# Altium PCB RT_SUPER_B1.PCBdoc (part 2 of 2)
Units mil, origin at the board's own origin, x right, y up, seen from the top; angles counter-clockwise.
Board outline 1617.06 x 1691.18 mil, 4 copper layers (Top Layer, GND, PWR, Bottom Layer), stack 39.556 mil thick; 138 components, 99 nets, 466 pads, 206 vias.
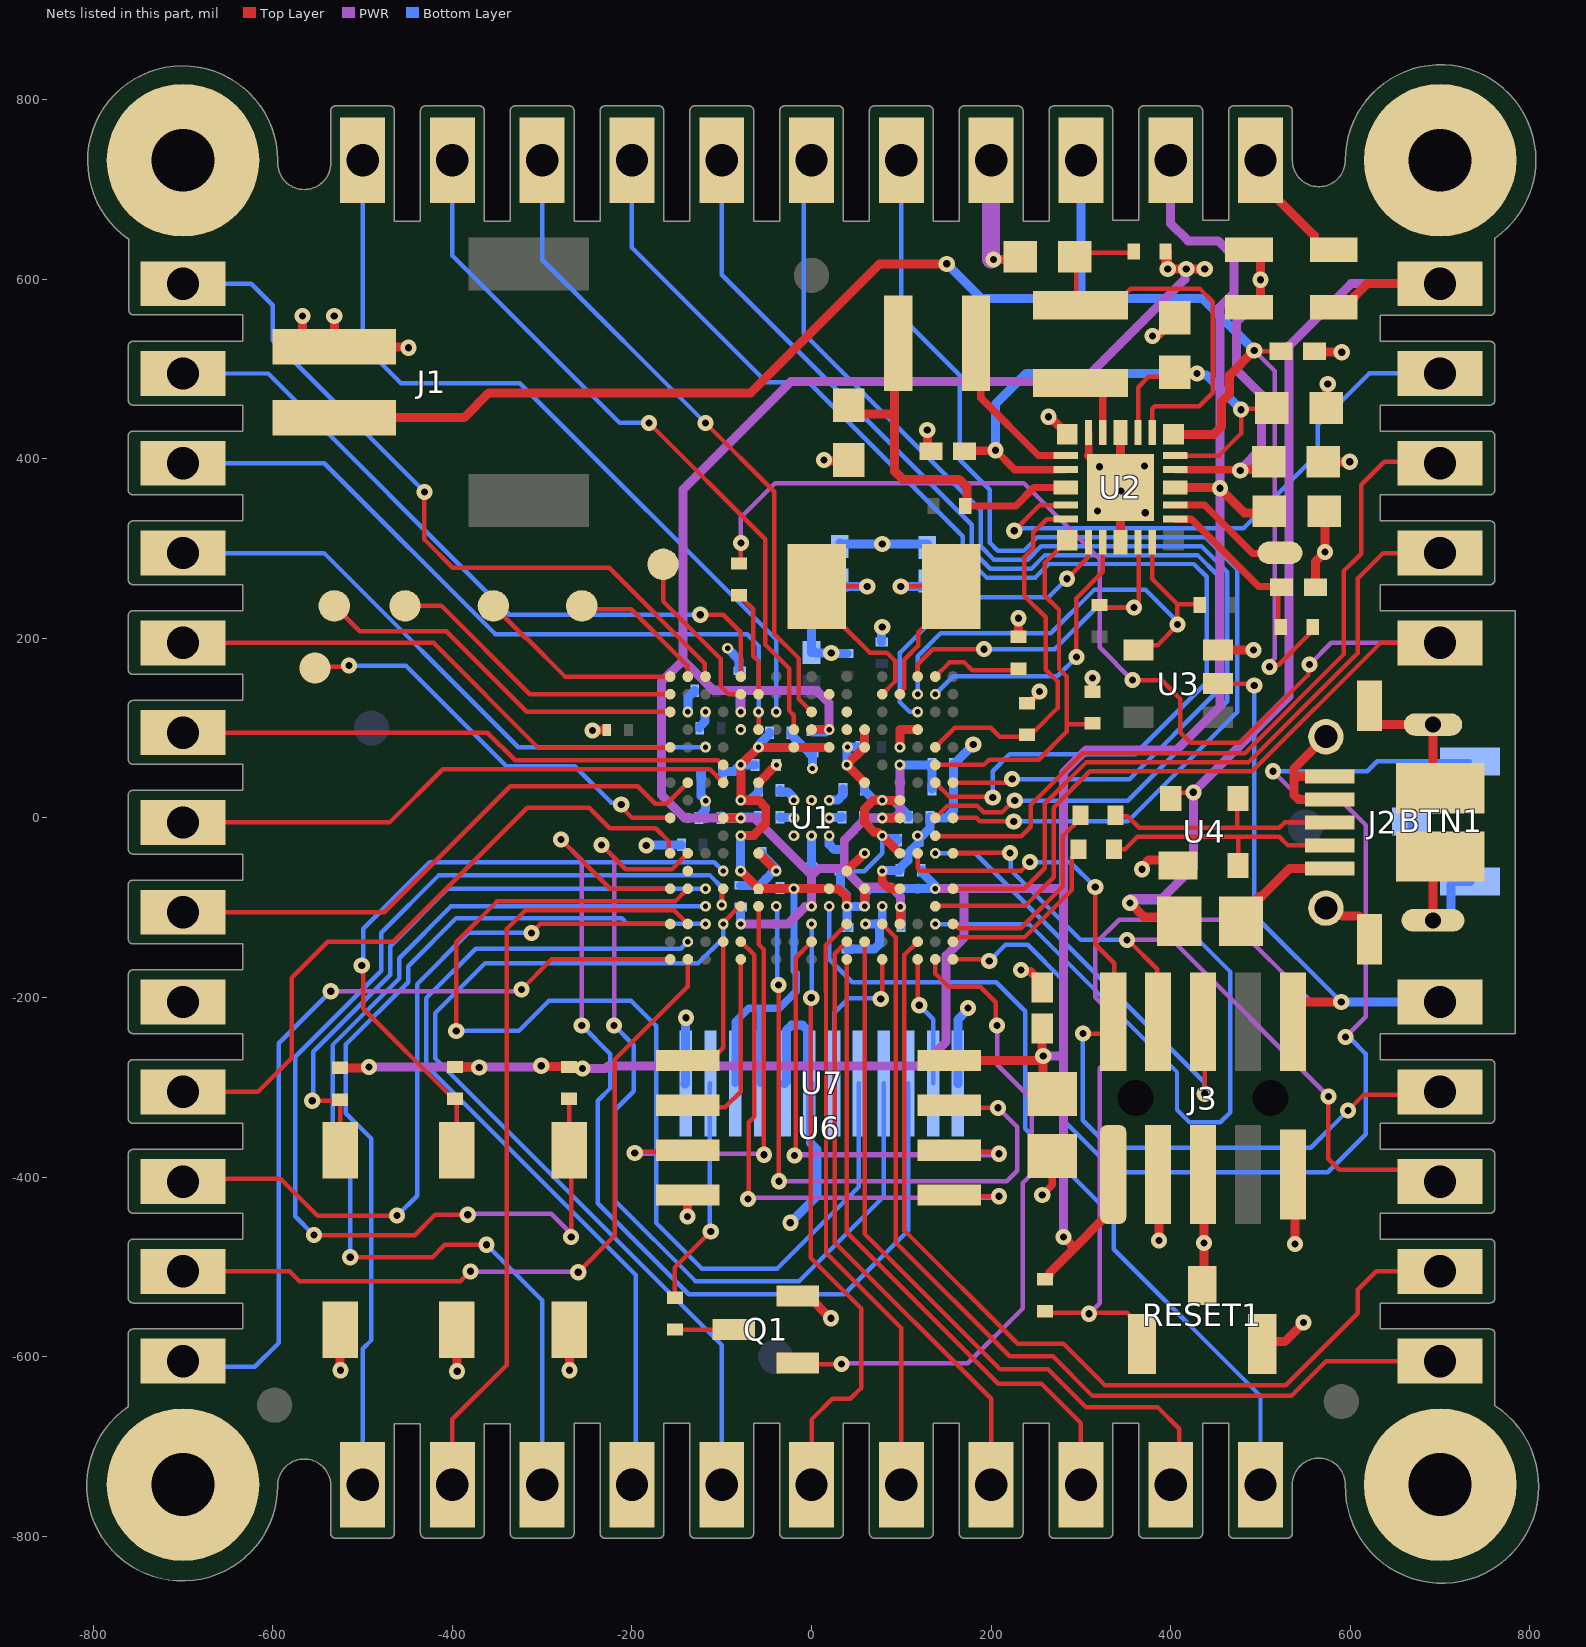
[diagram p4: the nets of this part, all layers, seen from the top]

## Via types
v1: diameter 18, hole 8, Top Layer to Bottom Layer, tented both sides, 133 vias
v2: diameter 12, hole 6, Top Layer to Bottom Layer, tented both sides, 73 vias

## Nets (pads, with @x,y where several pads share a name; then routed paths per layer and width w, separated by ;. In a path a pad name is that pad's centre, name@x,y a point inside that pad or via, vN(x,y) a via of type N, cw(c..) or ccw(c..) an arc to the next point about the centre after c; other vN are vias at no path point) (continued)
+3v3: C12.2 C13.2 C14.2 C15.2 C16.2 C17.2 C18.2 C20.2 C21.2 C22.2 C23.2 C24.2 C25.2 C42.2 C43.1 J3.1 P10.1 R3.2 R4.2 R8.2 R12.2 R13.2 R14.2 U1.E6 U1.E8 U1.E10 U1.F5 U1.H5 U1.H13 U1.H14 U1.K5 U1.K13 U1.L14 U1.M5 U1.N6 U1.N8 U1.N10 U1.N12 U1.N16 U1.P11 U1.P12 U2.15 U6.8 U7.3 U7.4 | length 4300.1
  Top Layer w8: R3.2@240.16,127.95 242.13,127.95 249.33,135.15 249.33,136.33 v1(254,141) ; R4.2@312.99,140.75 312,141.74 312,155 v1(313,156)
  Top Layer w10: R12.2@-525,-278.28 -494,-278.28 v1(-493,-277.28) ; R13.2@-397,-277.28 -370.72,-277.28 v1(-370,-278) ; v1(-301,-276) -300.36,-276.64 -270.64,-276.64 -269.06,-278.23 -256.11,-278.23 v1(-255.17,-279.17) ; v2(-79,-59) U1.M5@-78.74,-59.06 U1.M5@-78.74,-59.06 U1.N6@-59.06,-78.74 v2(-19.68,-78.74) U1.N10@19.69,-78.74 20.07,-79.12 30.12,-79.12 38.99,-87.99 38.99,-98.04 v2(39.37,-98.43) ; v2(-78.74,-19.69) -78.36,-19.3 -64.3,-19.3 -51,-6 -51,11.63 -59.06,19.68 v2(-78.74,19.68) v2(-78.74,59.06) v2(-59.06,78.74) U1.E8@-19.68,78.74 U1.E10@19.69,78.74 ; v2(59.06,-98.43) U1.N12@59.06,-78.74 ; U1.K13@74.51,-16 70.06,-16 59.06,-5 59.06,10.06 68.3,19.3 78.36,19.3 v2(78.74,19.68) U1.H14@98.43,19.68 ; v2(78.74,-19.69) U1.L14@98.43,-39.37 ; U6.8@153.54,-270 v1@258,-270 ; v1@256.89,-263 C43.1@256.89,-234.25 ; C42.2@258,-287.94 v1(258,-265) ; C42.2@258.2,-289.75 C42.2@273,-304.55 ; R8.2@260.07,-511.58 259.84,-511.81 261.81,-511.81 265.67,-507.95 265.67,-505.98 291.83,-479.82 ; v1(280.51,-466.54) 291.83,-477.85 291.83,-479.82 ; J3.1@337,-398 337,-437.28 327.67,-446.61 325.04,-446.61 291.83,-479.82 ; U2.15@405.04,368.2 453.65,368.2 466.78,355.07 482,339.85 508.16,339.85 C18.2@509.84,341.54
  PWR w10: v1(-493,-277.28) -302.28,-277.28 v1(-301,-276) ; v1(-255.17,-279.17) -229.33,-279.17 -226.17,-276 123,-276 150,-249 150,-153.37 170,-133.37 170,-78.74 ; v2(137.8,-78.74) 170,-78.74 ; v1(258,-265) 276.51,-265 280.51,-269 ; v1(280.51,-466.54) 280.51,-269 ; P10.1@400,732.5 400,662.01 419.29,642.72 452.76,642.72 470.47,625 470.47,584.58 455.02,569.13 455.02,370.82 454.72,370.52 454.72,124.02 406.5,75.79 306,75.79 280.51,50.3 280.51,-79 ; 170,-78.74 280.25,-78.74 280.51,-79 ; 280.51,-269 280.51,-79
  Bottom Layer w5: C15.2@32.48,-59.24 58.75,-59.24 78.74,-39.26 v2(78.74,-19.69)
  Bottom Layer w8: U7.3@-85.03,-295.5 -85.03,-227.03 -70,-212 -58,-212 ; U7.4@-57.47,-295.5 -57.47,-212.53 -58,-212 ; v2(-19.68,-78.74) -19.68,-170.32 -17,-173 -17,-193 -36,-212 -58,-212
  Bottom Layer w10: C16.2@-99,50 -99,51.81 -98.92,51.89 -86.45,51.89 -79.28,59.06 v2(-78.74,59.06) ; v2(-79,-59) C20.2@-79,-39 -78.92,-38.92 -78.92,-19.87 v2(-78.74,-19.69) ; v2(-78.74,19.68) -78.36,20.07 -68.12,20.07 -59,29.19 C21.2@-59,31 -59,32.81 C21.2@-59.08,32.89 ; v2(-78.74,59.06) C13.2@-63.03,59.03 ; v2(-59.06,78.74) -58.67,79.12 -58.67,81.52 -47,93.19 C17.2@-47,95 ; C24.2@-35,-78 -35,-78.29 -34.92,-78.37 -20.06,-78.37 v2(-19.68,-78.74) ; C15.2@32.48,-59.24 32.48,-79.32 38.99,-85.83 38.99,-98.04 v2(39.37,-98.43) ; C12.2@40,-122 39.37,-121.37 v2(39.37,-98.43) ; C22.2@59,32 59,30.19 69.12,20.07 78.36,20.07 v2(78.74,19.68) 79.12,19.3 91.39,19.3 107.88,2.81 C25.2@107.88,1 ; v2(78.74,-19.69) 79.28,-19.69 82.71,-23.11 95.8,-23.11 95.88,-23.19 C23.2@95.88,-25 ; C14.2@122.24,-58.07 122.24,-59.88 137.41,-75.06 137.41,-78.36 v2(137.8,-78.74) 64.91,-78.74 59.44,-84.22 59.44,-98.04 v2(59.06,-98.43) v2(39.37,-98.43)
  other v1: 454.72,367.13
+5vUSB: D2.1 L1.2 P12.1 U1.R16 U4.4 | length 1874.8
  Top Layer w5: U4.4@400.13,28 424.65,28 v1(425.2,28.54) ; L1.2@404.87,-110.32 L1.2@409.55,-115
  Top Layer w10: v1(354.76,-94.57) 370.51,-110.32 L1.2@404.87,-110.32 ; D2.1@581.69,568.9 594.49,568.9 604.27,578.68 604.27,580.59 618.68,595 P12.1@700,595
  PWR w10: v1@355.32,-89.57 390.75,-89.57 425.2,-55.12 v1(425.2,28.54) 532,135.35 532,526.09 600.91,595 P12.1@700,595
  Bottom Layer w5: v2(137.8,-118.11) 242.13,-118.11 407,-282.98 407,-325 421,-339 455.29,-339 466.54,-327.76 466.54,-171.54 389,-94 355.33,-94 v1(354.76,-94.57)
+VBATT: C4.2 J1.2 P9.1 R6.2 U2.18 | length 1904.1
  Top Layer w5: v1@495.06,519.7 C4.2@518.87,519.7 ; v1(509.84,168.31) 512.33,170.79 520.2,170.79 553.68,204.27 560.04,210.63 R6.2@560.04,212.6
  Top Layer w10: J1.2@-531.5,445.87 -386.81,445.87 -359.25,473.43 -67.91,473.43 75.79,617.13 v1(150.59,617.13) ; U2.18@403.07,427.26 447.93,427.26 456.69,436.02 456.69,463.58 465.55,472.44 465.55,493.11 v1(493.11,520.67)
  PWR w5: v1(493.11,520.67) 516,497.78 516,177.98 509.84,171.82 v1(509.84,168.31)
  Bottom Layer w10: v1(150.59,617.13) 188.98,578.74 300,578.74 ; P9.1@300,732.5 300,578.74 ; v1(493.11,520.67) 435.04,578.74 300,578.74
+VBATT_BU: C3.2 R6.1 U2.13 | length 190.4
  Top Layer w5: C3.2@519.69,256.89 519.69,213.58 R6.1@520.67,212.6
  Top Layer w8: U2.13@405.04,332.77 423.14,332.77 498.03,257.87 C3.2@519.69,257.87
+VIN: D1.1 P11.1 | length 141
  Top Layer w10: P11.1@500,732.5 520,712.5 520,688.66 560.12,648.54 560.12,641.65 568.9,632.87 D1.1@581.69,632.87
ADC0_0: P43.1 U1.F4 | length 616.5
  Top Layer w5: P43.1@-700,95 -361,95 -330.13,64.13 -104.59,64.13 -99.51,59.06 U1.F4@-98.43,59.06
ADC0_1: P45.1 U1.E3 | length 671.5
  Bottom Layer w5: P45.1@-700,295 -543,295 -326.74,78.74 -118.26,78.74 v2(-118.11,78.89)
ADC0_8: P44.1 U1.E1 | length 591.3
  Top Layer w5: P44.1@-700,195 -421,195 -304,78 -158.22,78 U1.E1@-157.48,78.74
BTN: BTN1.2 U1.U17 | length 1398.9
  Top Layer w5: U1.U17@157.48,-157.48 195.87,-157.48 v1(197.83,-159.45)
  PWR w5: v1(514,51.95) 545.03,20.91 588.36,20.91 617.13,-7.85 617.13,-221.46 v1(594.49,-244.09)
  Bottom Layer w5: v1(197.83,-159.45) 216.01,-141.28 240.69,-141.28 280,-180.59 280,-336.1 338.58,-394.69 574.8,-394.69 617.13,-352.36 617.13,-262.8 600.39,-246.06 596.46,-246.06 v1(594.49,-244.09) ; v1(514,51.95) 618.95,51.95 629.99,62.99 BTN1.2@733.27,62.99
DEBUG_RX_IN: P42.1 U1.G4 | length 632.2
  Top Layer w5: P42.1@-700,-5 -470,-5 -410.87,54.13 -113.19,54.13 U1.G4@-98.43,39.37
DEBUG_TX_OUT: P41.1 U1.G2 | length 638.1
  Top Layer w5: P41.1@-700,-105 -476.06,-105 -335.63,35.43 -193.51,35.43 -174.08,16 -161.17,16 U1.G2@-137.8,39.37
DM_MCU: R9.2 U1.T17 | length 206.5
  Top Layer w5: U1.T17@157.48,-137.8 159.37,-137.8 164.17,-133 237.08,-133 290,-80.08 290,-44.29 292.93,-41.36 294.89,-41.36 299.28,-36.97 R9.2@299.28,-35
DP_MCU: R11.2 U1.R17 | length 231.9
  Top Layer w5: U1.R17@157.48,-118.11 159.02,-118.11 163.91,-123 232.94,-123 280,-75.94 280,-20 290.63,-9.37 290.89,-9.37 301.28,1.03 R11.2@301.28,3
FC2_CLK: P48.1 U1.A3 | length 830
  Top Layer w5: v1(-431.1,363.19) -431.1,310.04 -399.61,278.54 -225.39,278.54 -118.97,172.12 -118.97,158.34 U1.A3@-118.11,157.48
  PWR w5: P48.1@-700,595 P48.1@-696.57,598.43
  Bottom Layer w5: P48.1@-700,595 -624,595 -600,571 -600,532.09 v1(-431.1,363.19)
FC2_SDA: P46.1 U1.D6 | length 818.6
  Top Layer w5: U1.D6@-59.06,98.43 v2(-59.06,118.11)
  Bottom Layer w5: P46.1@-700,395 -542.64,395 -352.08,204.44 -71.44,204.44 -59.06,192.06 v2(-59.06,118.11)
FC2_WS: P47.1 U1.A5 | length 789.9
  Top Layer w5: v1(-124.02,226.38) -98.43,226.38 -78.74,206.69 U1.A5@-78.74,157.48
  Bottom Layer w5: P47.1@-700,495 -605.24,495 -336.61,226.38 v1(-124.02,226.38)
FC3_CLK: P1.1 U1.C7 | length 885.6
  Top Layer w20: P1.1@-500,732.5 P1.1@-498,730.5
  Bottom Layer w5: P1.1@-500,732.5 -500,527 -457.25,484.25 -324.8,484.25 -39.37,198.82 v2(-39.37,118.11)
FC3_SDA: P3.1 U1.C9 | length 738.7
  Top Layer w5: v1(-118.11,439.96) -41.41,363.26 -41.41,204.93 -14,177.52 -14,132.11 U1.C9@0,118.11
  Bottom Layer w5: P3.1@-300,732.5 -300,621.85 v1(-118.11,439.96)
FC3_WS: P2.1 U1.D8 | length 810.6
  Top Layer w5: v1(-181.1,439.96) -51.41,310.27 -51.41,193.15 -24.61,166.34 -24.61,119.14 -19.68,114.22 U1.D8@-19.68,98.43
  Bottom Layer w5: P2.1@-400,732.5 -400,626.38 -213.58,439.96 v1(-181.1,439.96)
FC4_CLK: U1.D11
FC4_SDA: U1.C11
FC4_WS: U1.B10
FC5_RXD: P6.1 U1.J16 | length 1342.9
  Top Layer w5: U1.J16@137.8,0 151.42,13.62 184.36,13.62 191.61,6.37 212.08,6.37 225.04,19.33 v1(226.26,19.33)
  Bottom Layer w5: P6.1@0,732.5 -8.44,724.06 -8.44,539.44 188.31,342.69 188.31,302.58 203.17,287.72 240.73,287.72 255.85,302.83 434.01,302.83 463,273.84 463,130 352.33,19.33 v1(226.26,19.33)
FC5_SCK: P4.1 U1.G16 | length 1410
  Top Layer w5: U1.G16@137.8,39.37 153.54,23.62 201.02,23.62 v1(201.77,22.87)
  Bottom Layer w5: P4.1@-200,732.5 -200,635.04 -50.2,485.24 -3.24,485.24 168.31,313.69 168.31,294.29 194.88,267.72 249.02,267.72 264.13,282.83 425.72,282.83 440,268.56 440,151 359.87,70.87 220.47,70.87 201.77,52.17 v1(201.77,22.87)
FC5_SSEL0: P7.1 U1.J17 | length 1294.6
  Top Layer w5: U1.J17@157.48,0 183.84,0 187.47,-3.63 224.87,-3.63 v1(225.14,-3.9)
  Bottom Layer w5: P7.1@100,732.5 100,558.07 165,493.07 165,399 198.31,365.69 198.31,306.72 207.31,297.72 236.59,297.72 251.71,312.83 438.15,312.83 474,276.98 474,118 352.37,-3.63 225.41,-3.63 v1(225.14,-3.9)
FC5_TXD: P5.1 U1.G17 | length 1311.1
  Top Layer w5: U1.G17@157.48,39.37 v1@217.37,39.37 ; v1@219,41 221.31,43.31 v1(223.43,43.31)
  Bottom Layer w5: P5.1@-100,732.5 -100,605 178.31,326.69 178.31,298.43 199.02,277.72 244.87,277.72 259.99,292.83 429.87,292.83 452,270.7 452,141 354.31,43.31 v1(223.43,43.31)
GND: BTN1.1 BTN1.S C1.1 C2.2 C3.1 C4.1 C5.2 C6.1 C7.1 C8.2 C9.1 C10.1 C11.1 C12.1 C13.1 C14.1 C15.1 C16.1 C17.1 C18.1 C19.1 C20.1 C21.1 C22.1 C23.1 C24.1 C25.1 C26.1 C27.1 C28.1 C29.1 C30.1 C31.1 C32.1 C33.1 C34.1 C35.1 C36.1 C37.1 C38.1 C39.1 C40.1 C41.1 C42.1 C43.2 J1.1 J2.4 J2.5 J2.MOUNT J3.3 J3.5 J3.9 P8.1 P40.1 pad.2 Q1.2 R1.1 RESET1.1 RESET1.S SW1.1 SW2.1 SW3.1 U1.C2 U1.C3 U1.D5 U1.D12 U1.D15 U1.E12 U1.E14 U1.F7 U1.F11 U1.G6 U1.G12 U1.H8 U1.H9 U1.H10 U1.J8 U1.J10 U1.K8 U1.K9 U1.K10 U1.L6 U1.L12 U1.M7 U1.M11 U1.M13 U1.N14 U1.P13 U2.9 U2.21 U2.23 U2.24 U2.25 U3.3 U4.1 U6.4 U7.1 U7.5 U7.6 U7.12 | length 3976.1
  Top Layer w8: v1(256.89,-420) 268,-408.89 C42.1@268,-376.45 ; U2.25@308.64,403.57 U2.23@308.64,429.16
  Top Layer w10: v1(-566.93,559.06) -566.93,541.79 -549.74,524.61 J1.1@-531.5,524.61 ; v1(-531.5,559.06) J1.1@-531.5,524.61 ; SW1.1@-525,-570 -525,-611.81 -524.61,-612.2 v1(-524.61,-615.16) ; v1(-448.82,523.62) -449.8,524.61 J1.1@-531.5,524.61 ; SW2.1@-395,-570 -394.68,-570.32 v1(-394.68,-616.14) ; SW3.1@-270,-570 -269.68,-570.32 v1(-269.68,-615.16) ; v1(-244.09,97.44) -243.54,98 C6.1@-228,98 ; v1(-138,-444) -138,-420.2 U6.4@-137.8,-420 ; U1.G6@-59.06,39.37 U1.F7@-39.43,59 ; U1.L6@-58.51,-39.37 U1.L6@-59.06,-39.37 v2(-39.37,-59.06) ; U1.F7@-39.37,59.06 -39.06,59.06 v2(-39,59) ; Q1.2@-15.57,-532.24 -3.76,-532.24 21.09,-557.09 v1(21.65,-557.09) ; v1(13.78,398.62) 14.76,397.64 40.35,397.64 C9.1@41.34,398.62 ; U1.M11@39.37,-59.06 v2(59.06,-39.37) ; U1.G12@59.06,39.37 v2(39.37,59.06) U1.E12@59.06,78.74 U1.E12@59.06,78.74 59,98.37 U1.D12@59.06,98.43 ; v2(78.74,-59.06) 78.74,-70.87 86.61,-78.74 U1.N14@98.43,-78.74 ; v2(98.43,78.74) 98.43,98.43 U1.D15@118.11,98.43 ; C8.2@128.43,408.97 128.94,408.46 v1(128.94,432.09) ; v1(202.76,622.05) 229.33,622.05 C7.1@232.28,625 ; R1.1@230.32,203.74 v1(230.32,222.44) ; v1(233.27,-169.29) 234.8,-170.82 243.66,-170.82 256.89,-184.06 C43.2@256.89,-188.98 ; v1(263.78,446.85) 265.36,446.85 U2.24@284.96,427.26 ; U2.25@308.64,403.57 U2.25@344.01,368.2 ; U2.9@344.01,307.18 U2.25@344.01,364.65 ; U2.21@344.01,429.22 U2.25@344.01,368.2 ; v1(344.49,364.17) U2.25@344.01,364.65 ; v1(368.11,-57.09) 368.11,-54.13 375.44,-46.8 U4.1@408,-46.8 ; v1(379.58,536.76) 381.11,538.29 386.58,538.29 404.51,556.23 C5.2@404.51,557.21 ; v1(386.81,-470.47) 387,-470.28 J3.3@387,-398 ; RESET1.S@435.04,-520.67 437,-518.71 v1(437,-473.43) J3.5@437,-398 ; U3.3@452.76,187.01 v1(492.13,187.01) ; RESET1.1@501.97,-585.63 504.46,-583.14 526.86,-583.14 v1(548,-562) ; J3.9@537,-398 538.39,-399.39 v1(538.39,-474.41) ; C4.1@564.15,519.7 565.15,518.7 v1(590.55,518.7) ; C3.1@564.96,256.89 564.96,257.8 561.02,261.73 561.02,285.43 v1(571.85,296.26) 571.85,340.55 C18.1@570.87,341.54 ; C1.1@570.02,396.7 C1.1@570.02,396.7 v1(599.41,396.65) ; J2.MOUNT@572.83,-100.47 582.14,-100.47 591.03,-109.37 609.98,-109.37 621.26,-120.65 J2.MOUNT@621.26,-134.92 ; J2.MOUNT@572.83,90.47 537.17,54.81 537.17,46.26 ; C2.2@573.43,456.7 573.43,481.9 v1(574.8,483.27) ; J2.4@577.13,20.59 542.4,20.59 537.17,25.82 537.17,46.26 ; J2.5@577.13,46.18 537.25,46.18 537.17,46.26 ; J2.MOUNT@621.26,124.92 621.26,115.33 632.54,104.06 J2.MOUNT@692.13,104.06 692.13,40.77 J2.MOUNT@700,32.89 ; J2.MOUNT@692.13,-114.06 692.13,-50.77 J2.MOUNT@700,-42.89 ; U2.25@344.01,364.65 U2.25@344.01,368.2
  PWR w5: v1@200,622.05 v1(202.76,622.05)
  PWR w20: v1@200,622.05 P8.1@200,732.5
  Bottom Layer w5: C38.1@-130.11,139.76 C38.1@-130.11,139.92
  Bottom Layer w10: v1(-184,-30.59) -183.7,-30.3 -145.08,-30.3 -145,-30.22 C40.1@-145,-30 ; U7.1@-140.75,-296.1 U7.1@-140.15,-295.5 -140.15,-222.83 v1(-139.76,-222.44) ; v2(-137.8,118.11) -137.8,133.91 -131.86,139.84 -130.19,139.84 -130.11,139.92 C38.1@-130.11,141.73 ; C30.1@-125.19,0 -125.19,1.97 -117.93,9.23 v2(-118,19) v2(-118,19) -118,19.54 -123,24.54 C16.1@-123,50 ; C39.1@-124.59,100 -124.59,101.81 -118.49,107.91 -118.49,117.73 v2(-118.11,118.11) ; v2(-93.5,188.98) -80.83,176.3 -80.83,164.08 -80.75,164 C33.1@-80,164 ; C32.1@-77.19,-75 C32.1@-79,-75 C32.1@-79,-75 -60.11,-75.08 C24.1@-59,-76.19 ; C24.1@-59,-78 C24.1@-59,-76.19 ; C20.1@-55,-39 -55,-40.81 -39.75,-56.06 -39.75,-58.67 v2(-39.37,-59.06) -39.75,-59.44 -42.39,-59.44 -51.13,-68.18 -51.13,-68.32 C24.1@-59,-76.19 ; C29.1@-35,1 -34.5,0.5 -20.18,0.5 v2(-19.68,0) ; C21.1@-35,31 -35,29.19 -34.92,29.11 -26.62,29.11 -20.07,22.56 -20.07,20.07 v2(-19.68,19.68) ; U7.5@-29.91,-295.5 -28.02,-293.61 -28.02,-236.56 -22.17,-230.7 -10.1,-230.7 -4.24,-236.56 -4.24,-293.61 -1.44,-296.41 -1.44,-361.75 5.91,-369.09 5.91,-421.26 v1(-23.62,-450.79) ; C17.1@-23,95 -23,93.19 -1.89,72.08 0.92,72.08 C34.1@1,72 v2@1,55.13 ; C27.1@0,-54.74 v2(0,-19.69) ; C10.1@0,184.06 C10.1@0,187.99 ; v2(19.69,-19.69) 19.69,-29.39 25.54,-35.24 C15.1@32.48,-35.24 ; v2(19.69,0) 20.19,0.5 33.5,0.5 C28.1@34,1 ; v2(19.69,19.68) 19.93,19.93 29.14,19.93 35,25.78 C22.1@35,32 ; C19.1@31.5,302.17 27.84,298.51 12.51,298.51 0,286 C10.1@0,187.99 ; C19.1@31.5,306.1 32.48,305.12 v1(78.74,305.12) C11.1@128.94,305.12 ; v2@38.95,60.01 39.37,59.6 v2(39.37,59.06) 39.69,59.37 39.69,78.68 v2(40,79) C41.1@54,79 ; C36.1@39.57,183.18 39.49,183.26 22.32,183.26 v1(22,183.57) 4.42,183.57 C10.1@0,187.99 ; C12.1@40,-146 69.93,-146 75.79,-140.14 75.79,-122.08 75.6,-121.89 C31.1@75.6,-120.08 C31.1@75.6,-118.27 ; v2(60.04,-118.11) 69.74,-118.11 69.82,-118.19 75.52,-118.19 C31.1@75.6,-118.27 ; C37.1@78,196.06 78,211.86 v1(78.74,212.6) ; v2(78.74,-98.43) 78.74,-115.13 C31.1@75.6,-118.27 ; v2(78.74,-59.06) 79.23,-58.56 97.74,-58.56 C14.1@98.24,-58.07 98.24,-56.26 107.31,-47.18 107.31,-39.52 110.8,-36.03 110.8,-35.89 119.88,-26.81 C23.1@119.88,-25 C23.1@119.88,-23.19 ; v2(118.11,-19.69) 118.11,-21.42 C23.1@119.88,-23.19 ; C25.1@131.88,1 C25.1@131.8,0.16 ; U7.12@163,-295.5 163,-224.8 174.08,-213.72 v1(174.08,-211.75) ; v1@180.09,81.69 158.39,60 C26.1@158,60 C35.1@158,32 158,8 150,0 131.96,0 C25.1@131.8,0.16 ; BTN1.S@668.31,-3.94 668.94,-4.57 668.94,-24.26 BTN1.1@715.55,-70.87 ; J2.MOUNT@692.13,-114.06 705.71,-114.06 712,-107.76 712,-74.42 BTN1.1@715.55,-70.87 ; BTN1.1@733.27,-70.87 BTN1.1@715.55,-70.87 ; C23.1@119.88,-23.19 131.8,-11.27 C25.1@131.8,0.16
  other v1: 180.12,81.69 371.7,339.93 318.55,341.9 320.52,391.11 370.71,392.1
  other v2: -19.68,-19.69 0,19.68 0.98,55.12 -78.74,98.43
HS_SPI_MISO: U1.M2
HS_SPI_MOSI: U1.N1 U7.10 | length 1159.2
  Top Layer w5: v1(-279,-24) -224.26,-78.74 U1.N1@-157.48,-78.74
  PWR w5: v1(-279,-24) -256,-47 v1(-256,-231)
  Bottom Layer w5: v1(-256,-231) -224,-263 -224,-300.77 -238.19,-314.96 -238.19,-429.13 -136.81,-530.51 36.42,-530.51 107.88,-459.05 U7.10@107.88,-295.5
HS_SPI_SCK: U1.L2 U7.9 | length 1035.5
  Top Layer w5: v1(-234,-30) -207,-57 -155.43,-57 U1.L2@-137.8,-39.37
  PWR w5: v1(-234,-30) -220,-44 v1(-220,-231)
  Bottom Layer w5: v1(-220,-231) -198,-253 -198,-304.3 -218.5,-324.8 -218.5,-426.5 -129.25,-515.75 -13.78,-515.75 80.32,-421.65 U7.9@80.32,-295.5
HS_SPI_SSEL0: U1.N2 U7.8 | length 1249.1
  Top Layer w5: v1(-395.67,-237.2) -395.67,-138.28 -350.39,-93 -152.06,-93 U1.N2@-137.8,-78.74
  Bottom Layer w5: v1(-395.67,-237.2) -326.2,-237.2 -292.5,-203.5 -201.03,-203.5 -173.23,-231.3 -173.23,-450.79 -122.05,-501.97 -38.39,-501.97 52.76,-410.82 U7.8@52.76,-295.5
I3C0_PUR: R16.1 U1.B6 | length 118.4
  Top Layer w5: R16.1@-80.71,246.06 -78.74,246.06 -64.96,232.28 -64.96,180.12 -59.06,174.21 U1.B6@-59.06,137.8
I3C0_SCL: P15.1 U1.N17 | length 788
  Top Layer w5: U1.N17@157.48,-78.74 236.92,-78.74 259.61,-56.05 259.61,15.73 305.73,61.85 486.43,61.85 608.27,183.69 608.27,266.73 636.54,295 P15.1@700,295
I3C0_SDA: P16.1 R16.2 U1.P16 | length 1825.2
  Top Layer w5: R16.2@-80.71,285.43 -78.74,287.4 v1(-78.74,306.1) ; U1.P16@137.8,-98.43 138.22,-98 237.63,-98 269.61,-66.02 269.61,11.59 309.87,51.85 490.57,51.85 633.6,194.88 699.88,194.88 P16.1@700,195 ; v1(357.28,153.54) 357.56,153.26 390.04,153.26 410.43,132.87 410.43,95.47 422.24,83.66 477.46,83.66 552.93,159.13 552.93,169.07 v1(554.63,170.77)
  PWR w5: v1(-78.74,306.1) -78.74,334.65 -40.35,373.03 236.22,373.03 320.87,288.39 320.87,189.96 v1(357.28,153.54) ; v1(554.63,170.77) 578.86,195 P16.1@700,195
ISP0: R12.1 SW1.2 U1.N3 | length 669.6
  Top Layer w5: v1(-556.12,-315.02) R12.1@-525.66,-315.02 ; R12.1@-525,-313.72 SW1.2@-525,-370 SW1.2@-524,-369
  Bottom Layer w5: v1@-555.12,-311.02 -555.12,-260.39 -469.29,-174.56 -469.29,-142.81 -405.48,-79 -118.37,-79 v2(-118.11,-78.74)
ISP1: R13.1 SW2.2 U1.M4 | length 728
  Top Layer w5: v1(-500.89,-164.46) -499.23,-166.12 -499.23,-212.45 -400.91,-310.77 -398.91,-310.77 -395,-314.69 SW2.2@-395,-370
  Bottom Layer w5: v1(-500.89,-164.46) -499.23,-162.8 -499.23,-123.25 -425.2,-49.21 -108.27,-49.21 v2(-98.43,-59.06)
ISP2: R14.1 SW3.2 U1.N4 | length 1296.4
  Top Layer w5: v1(-554.13,-464.57) -441.93,-464.57 -419.29,-441.93 v1(-382.87,-441.93) ; R14.1@-270,-314.69 SW3.2@-270,-370 -267.72,-372.28 v1(-267.72,-466.54) ; v2(-99.95,-96.9) -99.19,-96.13 -99.19,-79.5 U1.N4@-98.43,-78.74
  PWR w5: v1(-382.87,-441.93) -381.89,-440.94 -289.79,-440.94 -267.72,-463.02 v1(-267.72,-466.54)
  Bottom Layer w5: v1(-554.13,-464.57) -575,-443.7 -575,-265.94 -479.29,-170.24 -479.29,-127.91 -415.38,-64 -113.17,-64 -99.95,-77.21 v2(-99.95,-96.9)
LCD_BL: Q1.1 U1.U16 | length 735.2
  Top Layer w5: Q1.1@-15.57,-607.05 -14.35,-608.27 v1(33.46,-608.27) ; U1.U16@137.8,-157.48 137.8,-173.23 152.56,-187.99 187.99,-187.99 205.16,-205.16 205.16,-229.77 v1(206.69,-231.3)
  PWR w5: v1(33.46,-608.27) 34.37,-607.36 174.13,-607.36 235.24,-546.26 235.24,-406.5 245.24,-396.5 245.24,-313.24 206.69,-274.69 v1(206.69,-231.3)
LCD_CMD_DATA: U1.U13 U7.7 | length 182.5
  Top Layer w5: v1(77,-201.77) 78.74,-200.04 U1.U13@78.74,-157.48
  Bottom Layer w5: U7.7@25.2,-295.5 25.2,-216.92 41.34,-200.79 76.02,-200.79 v1(77,-201.77)
LCD_RST: U1.U15 U7.11 | length 145.2
  Top Layer w5: U1.U15@118.11,-157.48 118.11,-206.69 v1(120,-208.59)
  Bottom Layer w5: v1(120,-208.59) 135.44,-224.02 U7.11@135.44,-295.5
MCLK: P14.1 U1.K16 | length 849.3
  Top Layer w5: U1.K16@137.8,-19.69 138.51,-20.4 233.54,-20.4 244.09,-9.84 244.09,14.36 301.59,71.85 482.28,71.85 592.52,182.09 592.52,274.61 612.2,294.29 612.2,371.06 637.8,396.65 698.35,396.65 P14.1@700,395
NetC1_2: C1.2 D1.2 D2.2 U2.16 | length 431.9
  Top Layer w8: U2.16@405.13,387.8 v1@476.7,387.8
  Top Layer w10: v1@476.7,387.8 v1(477.36,387.13) ; v1@477.36,387.89 500.19,387.89 C1.2@509,396.7 ; D2.2@487.2,568.9 491.22,568.9 500,577.68 v1(500,599.41) 500,624.09 491.22,632.87 D1.2@487.2,632.87
  PWR w10: v1(477.36,387.13) 477.36,387.89 500.98,411.51 500.98,471.46 473,499.44 473,552 500,579 v1(500,599.41)
NetC2_1: C2.1 C5.1 C8.1 U2.2 U2.17 U2.20 | length 739.8
  Top Layer w5: U2.20@363.7,429.22 363.7,479.84 375,491.14 403.65,491.14 407.59,495.08 v1(429.13,495.08) ; U2.17@405.04,403.63 453.83,403.63 478.35,428.15 v1(478.35,454.72) ; v1@479.33,455.71 511.42,455.71 C2.1@512.41,456.7
  Top Layer w8: v1(204.72,409.45) 226.26,387.92 ; 226.26,387.89 U2.2@282.99,387.89
  Top Layer w10: C8.1@174.21,408.46 174.7,408.96 204.23,408.96 v1(204.72,409.45)
  Bottom Layer w10: v1(204.72,409.45) 204.72,460.63 239.17,495.08 v1(429.13,495.08) 430.66,493.55 439.52,493.55 v1(478.35,454.72)
NetC7_2: C7.2 L2.2 R7.1 U2.19 | length 486.4
  Top Layer w5: R7.1@356.83,630.7 355.83,629.7 295.02,629.7 295.02,575.5 L2.2@299.51,571.01 336.91,571.01 355.47,589.57 432.09,589.57 446.85,574.8 446.85,473.66 431.85,458.66 382.37,458.66 379.44,455.73 U2.19@379.44,429.22
NetC9_2: C9.2 L3.2 R10.1 U2.3 | length 439.1
  Top Layer w8: R10.1@177.46,347.44 227.36,347.44 248.12,368.2 U2.3@282.99,368.2
  Top Layer w10: C9.2@41.34,459.65 51.18,449.8 92.52,449.8 ; L3.2@91.21,508.81 L3.2@102.96,520.56 ; L3.2@96.46,528.54 92.52,524.61 92.52,508.81 92.52,449.8 ; R10.1@173.23,347.44 173.23,368.11 164.37,376.97 101.38,376.97 92.52,385.83 92.52,449.8
NetC11_2: C11.2 U1.B14 U5.2 | length 230.2
  Top Layer w5: U1.B14@98.43,137.8 98.43,139.3 103.35,144.22 103.35,176.35 119,192 119,206.62 155.51,243.13 U5.2@155.51,257.87 v1(99.41,257.87)
  Bottom Layer w5: C11.2@126.97,257.87 C11.2@128.94,259.84
  Bottom Layer w10: v1(99.41,257.87) C11.2@126.97,257.87
NetC19_2: C19.2 U1.B13 U5.1 | length 261
  Top Layer w5: v1(62.01,257.87) U5.1@5.91,257.87 35.91,227.87 35.91,213.09 65,184 84,184 93,175 93,152.06 U1.B13@78.74,137.8
  Bottom Layer w5: C19.2@31.5,260.83 C19.2@34.45,257.87
  Bottom Layer w10: C19.2@34.45,257.87 v1(62.01,257.87)
NetJ2_1: J2.1 L1.1 | length 122.1
  Top Layer w10: L1.1@479,-110 479,-107.05 498.61,-87.44 501.56,-87.44 532.82,-56.18 J2.1@577.13,-56.18
NetJ2_2: J2.2 R9.1 U4.2 | length 281.1
  Top Layer w5: R9.1@338.11,-34.64 349.36,-34.64 363,-21 474,-21 ; U4.2@475,-53 475,-22 474,-21 ; J2.2@577.13,-30.59 530.59,-30.59 521,-21 474,-21
NetJ2_3: J2.3 R11.1 U4.3 | length 281.9
  Top Layer w5: R11.1@336.72,3 337.72,2 351.8,2 364.8,-11 474,-11 ; U4.3@475,21.8 474,20.8 474,-11 ; J2.3@577.13,-5 527,-5 521,-11 474,-11
NetL2_1: L2.1 U2.22 | length 73.1
  Top Layer w8: U2.22@324.33,429.22 L2.1@324.33,472.65
  Top Layer w10: L2.1@299.51,484.39 312.58,484.39 L2.1@324.33,472.65
NetL3_1: L3.1 U2.1 | length 183.9
  Top Layer w8: L3.1@188.42,523.2 188.42,468.08 252.86,403.63 U2.1@282.99,403.63
  Top Layer w10: L3.1@183.07,528.54 L3.1@188.42,523.2
NetQ1_3: Q1.3 R15.1 | length 59
  Top Layer w5: R15.1@-145.27,-570 -86.79,-570 Q1.3@-86.43,-569.64
NetR1_2: R1.2 U1.A16 | length 102.7
  Top Layer w5: U1.A16@137.8,157.48 153.54,173.23 170.28,173.23 179.13,164.37 R1.2@230.32,164.37
NetR15_2: R15.2 U7.2 | length 255.3
  Top Layer w5: R15.2@-152.56,-533.46 -152.56,-500.98 v1(-112.2,-460.63)
  Bottom Layer w5: U7.2@-112.59,-295.5 -113.19,-296.1 -113.19,-459.65 v1(-112.2,-460.63)
NetTP2_1: TP2.1 U1.J1 | length 468.5
  Top Layer w5: TP2.1@-553,167 -551.69,168.31 -516.31,168.31 v1(-515,169.63) ; v1(-212,15) -212,12.2 -199.8,0 U1.J1@-157.48,0
  Bottom Layer w5: v1(-515,169.63) -451.63,169.63 -339.7,57.7 -263.7,57.7 -223.17,17.17 -214.17,17.17 v1(-212,15)
NetTP3_1: TP3.1 U1.C1 | length 422.9
  Top Layer w5: TP3.1@-531.5,236.22 -503.28,208 -407,208 -317.11,118.11 U1.C1@-157.48,118.11
NetTP4_1: TP4.1 U1.A1 | length 229.5
  Top Layer w5: TP4.1@-354.33,236.22 -318.9,200.79 -317.91,200.79 -274.61,157.48 U1.A1@-157.48,157.48
NetTP5_1: TP5.1 U1.A2 | length 156
  Top Layer w5: TP5.1@-255.91,232.28 -200.79,232.28 -137.8,169.29 U1.A2@-137.8,157.48
PDM_CLK01: P38.1 U1.R1 | length 833.7
  Top Layer w5: P38.1@-700,-405 -696.57,-401.57 -591.54,-401.57 -550.2,-442.91 v1(-461.61,-442.91) ; v1(-312.01,-127.95) -302.06,-118 -157.59,-118 U1.R1@-157.48,-118.11
  Bottom Layer w5: v1(-461.61,-442.91) -439.29,-420.59 -439.29,-184.99 -382.25,-127.95 v1(-312.01,-127.95)
PDM_CLK23: P36.1 U1.U1 | length 940.9
  Top Layer w5: v1(-323.07,-190.94) -289.6,-157.48 U1.U1@-157.48,-157.48
  PWR w5: v1(-535.43,-192.91) -325.04,-192.91 v1(-323.07,-190.94)
  Bottom Layer w5: P36.1@-700,-605 -706.22,-611.22 -620.08,-611.22 -593.5,-584.65 -593.5,-250.98 v1(-535.43,-192.91)
PDM_CLK45: P34.1 U1.R2 | length 860.5
  Top Layer w5: P34.1@-400,-742.5 -400,-669.69 -339.57,-609.25 -339.57,-123.57 -319,-103 -152.91,-103 U1.R2@-137.8,-118.11
PDM_CLK67: P32.1 U1.T2 | length 957.6
  Bottom Layer w5: P32.1@-200,-742.5 -195.87,-738.37 -195.87,-508.96 -429.29,-275.54 -429.29,-200.94 -374.02,-145.67 -145.67,-145.67 v2(-137.8,-137.8)
PDM_DATA01: P37.1 U1.U2 | length 848.7
  Top Layer w5: P37.1@-700,-505 -581.31,-505 -570.31,-516 -391.35,-516 -380.27,-504.92 v1(-379.92,-504.92) ; v1(-259.84,-505.91) -219,-465.06 -219,-269 -137.8,-187.8 U1.U2@-137.8,-157.48
  PWR w5: v1(-379.92,-504.92) -379.43,-505.41 -260.33,-505.41 v1(-259.84,-505.91)
PDM_DATA23: P35.1 U1.R3 | length 985.2
  Top Layer w5: P35.1@-505,-737.5 P35.1@-500,-742.5
  Bottom Layer w5: P35.1@-500,-742.5 -500,-591.28 -490.16,-581.44 -490.16,-357.28 -518.7,-328.74 -518.7,-252.26 -449.29,-182.85 -449.29,-165.18 -395.57,-111.45 -211.55,-111.45 -205,-118 -118.22,-118 v2(-118.11,-118.11)
PDM_DATA45: P33.1 U1.P3 | length 1187.3
  Top Layer w5: v1(-513.78,-489.17) -422.24,-489.17 -408.46,-475.39 v1(-361.97,-475.39)
  Bottom Layer w5: v1(-513.78,-489.17) -513.78,-366.56 -533.46,-346.87 -533.46,-252.88 -459.29,-178.7 -459.29,-156.14 -401.57,-98.43 v2(-118.11,-98.43) ; v1(-361.97,-475.39) -300,-537.37 P33.1@-300,-742.5
PDM_DATA67: P31.1 U1.P5 | length 1061.5
  Top Layer w5: P31.1@-103,-739.5 P31.1@-100,-742.5 ; v2(-98.43,-118.11) -98.43,-116.58 -80.27,-98.43 U1.P5@-78.74,-98.43
  Bottom Layer w5: P31.1@-100,-742.5 -100,-587.01 -419.29,-267.72 -419.29,-217.52 -363.35,-161.57 -126.14,-161.57 -98.43,-133.86 v2(-98.43,-118.11)
PIO0_11: P39.1 U1.L1 | length 753.9
  Top Layer w5: P39.1@-700,-305 -616.58,-305 -579,-267.42 -579,-178 -538.8,-137.8 -465.8,-137.8 -316.57,11.43 -247.67,11.43 -224.74,-11.5 -173.54,-11.5 -158.82,-26.22 -158.82,-38.03 U1.L1@-157.48,-39.37
PIO1_8: TP6.1 U1.B5 | length 188.6
  Top Layer w5: TP6.1@-165.35,282.48 -165.35,241.35 -101.38,177.38 -101.38,146.65 -92.52,137.8 U1.B5@-78.74,137.8
PIO1_9: TP7.1 U1.B1 | length 336
  Top Layer w5: TP7.1@-452.76,236.22 -412.22,236.22 -313.8,137.8 U1.B1@-157.48,137.8
PMIC_INTB: R2.1 U1.A15 U2.10 | length 384.5
  Top Layer w5: U1.A15@118.11,157.48 118.11,171.26 134.84,187.99 v1(191.93,187.99) ; R2.1@320.33,234.78 324.7,234.78 325.23,234.25 v1(359.25,234.25) ; U2.10@363.7,307.18 364.17,306.7 364.17,242.31
  Bottom Layer w5: v1(191.93,187.99) 270.67,187.99 316.93,234.25 v1@358.5,234.25
PMIC_MODE0: U1.C15 U2.7 | length 350.2
  Top Layer w5: v1(284.41,266.33) 307.76,289.68 307.76,306.35 U2.7@308.58,307.18
  Bottom Layer w5: v2(118.11,118.11) 117.99,118.23 109.14,118.23 98.43,128.94 98.43,184.06 160.43,246.06 264.14,246.06 v1(284.41,266.33)
PMIC_MODE1: U1.B16 U2.8 | length 314.5
  Top Layer w5: v1(295.04,179.13) 295.04,244.85 324.33,274.13 U2.8@324.33,307.18
  Bottom Layer w5: v2(137.8,137.8) 157.89,157.89 273.8,157.89 v1(295.04,179.13)
PMIC_ON: P13.1 U2.4 | length 635
  Top Layer w5: v1(225.72,319.92) 254.32,348.52 U2.4@282.99,348.52
  Bottom Layer w5: v1(225.72,319.92) 228.21,322.41 234.72,322.41 235.15,322.83 481.3,322.83 563.98,405.51 563.98,437.99 621.06,495.08 699.92,495.08 P13.1@700,495
PMIC_RESETN: R5.1 U1.B15 U2.11 U3.4 | length 564.6
  Top Layer w5: U3.4@362.64,196.32 364.96,194 376.97,194 378.41,192.56 385.48,192.56 v1@407.97,215.06 ; U2.11@379.44,307.18 379.44,266.22 407.48,238.19 ; v1(407.48,215.55) 407.48,238.19 ; R5.1@432.28,237 431.09,238.19 407.48,238.19
  Bottom Layer w5: v2(118.11,137.8) 118.11,180.12 143.7,205.71 266.37,205.71 314.6,253.94 372.05,253.94 407.48,218.5 v1(407.48,215.55)
PMIC_SCL: R3.1 U1.E16 U2.5 | length 419.6
  Top Layer w5: U1.E16@137.8,78.74 159.45,100.39 199.71,100.39 209.56,90.55 242.13,90.55 248.48,96.91 274,122.43 274,152 260.83,165.17 260.83,223.43 237,247.25 237,290.13 247,300.13 247,318 261.77,332.77 U2.5@282.99,332.77
PMIC_SDA: R4.1 U1.F16 U2.6 | length 419.8
  Top Layer w5: U1.F16@137.8,59.06 191.93,59.06 197.83,64.96 252.95,64.96 284,96.01 284,104.33 ; U2.6@284.96,309.15 259.84,284.03 259.84,247.64 275.59,231.89 275.59,166.41 284,158 284,104.33 ; R4.1@308.77,104.33 284,104.33
QSPI_CS: U1.T4 U6.1 | length 164.4
  Top Layer w5: U6.1@-138,-272 -114.38,-272 -98.43,-256.05 U1.T4@-98.43,-137.8
QSPI_D0: U1.T5 U6.5 | length 631.8
  Top Layer w5: U1.T5@-78.74,-137.8 -78.63,-137.8 -63.98,-152.45 -63.98,-332.98 -69.85,-338.85 -69.85,-423.2 v1(-70.87,-424.21) ; U6.5@153.34,-422 154.08,-421.26 v1(208.66,-421.26)
  PWR w5: v1(-70.87,-424.21) -69.39,-422.74 207.19,-422.74 v1(208.66,-421.26)
QSPI_D1: U1.U5 U6.2 | length 213.7
  Top Layer w5: U6.2@-138,-322 -96,-322 -79,-305 -79,-157.74 U1.U5@-78.74,-157.48
QSPI_D2: U1.P6 U6.3 | length 483.1
  Top Layer w5: v1(-196.85,-373.03) -195.82,-372 U6.3@-138,-372 ; U1.P6@-59.06,-98.43 -59.06,-140.51 -53.43,-146.13 -53.43,-257.53 -53.37,-257.59 -53.37,-374.55 v1(-52.92,-375)
  PWR w5: v1(-196.85,-373.03) -195.87,-374.02 -53.9,-374.02 v1(-52.92,-375)
QSPI_D3: U1.P7 U6.7 | length 734.8
  Top Layer w5: v1(-36.93,-185.94) -36.42,-186.45 v1(-36.42,-404.53) ; U6.7@153.34,-322 154.17,-322.83 v1(207.68,-322.83)
  Top Layer w6: U6.7@129.72,-322 U6.7@153.34,-322
  PWR w5: v1(-36.42,-404.53) 217.52,-404.53 229,-393.05 229,-344.16 v1(207.68,-322.83)
  Bottom Layer w5: v2(-39.37,-98.43) -38.12,-99.68 -38.12,-184.75 v1(-36.93,-185.94)
QSPI_SCK: U1.T9 U6.6 | length 530.6
  Top Layer w5: v1(-18.93,-375.98) -17.72,-374.77 -17.72,-155.51 U1.T9@0,-137.8
  Top Layer w6: U6.6@153.34,-372 206.65,-372 v1(208.66,-374.02)
  PWR w6: v1(-18.93,-375.98) -17.95,-375 207.68,-375 v1(208.66,-374.02)
RST_3V3: J3.10 P20.1 R8.1 RESET1.2 U3.2 | length 1507.6
  Top Layer w5: R8.1@259.84,-551.18 351.38,-551.18 368.11,-567.91 RESET1.2@368.11,-585.63 ; U3.2@452.76,149.61 491.14,149.61 v1(493.11,147.64) ; J3.10@537,-228 537,-217 J3.10@549,-205
  Top Layer w10: J3.10@549,-205 v1(589.84,-205)
  PWR w5: v1(309.06,-552.17) 320.87,-540.35 320.87,-278.54 344.49,-254.92 344.49,-228.35 315.94,-199.8 315.94,-139.76 342.52,-113.19 465.55,-113.19 557.36,-205 v1(589.84,-205)
  Bottom Layer w5: v1(493.11,147.64) 493.11,-108.27 v1(589.84,-205)
  Bottom Layer w10: v1(589.84,-205) P20.1@700,-205
SD_CLK: P25.1 U1.P10 | length 937
  Bottom Layer w5: v2(19.69,-98.43) 19.69,-157.48 45.2,-183 205.64,-183 238,-215.36 238,-346.27 336.61,-444.88 336.61,-480.32 500,-643.7 P25.1@500,-742.5
SD_CMD: P30.1 U1.R9 | length 682.6
  Top Layer w5: v1(-0.4,-200.33) -0.98,-200.91 -0.98,-490.02 55.12,-546.12 55.12,-634.88 43,-647 23,-647 0,-670 P30.1@0,-742.5
  Bottom Layer w5: v1(-0.4,-200.33) 0,-199.93 v2(0,-118.11)
SD_D0: P29.1 U1.R11 | length 669
  Top Layer w5: U1.R11@39.37,-118.11 15.87,-141.61 15.87,-193.27 16.1,-193.5 16.1,-484.1 100,-568 P29.1@100,-742.5
SD_D1: P28.1 U1.T11 | length 682.4
  Top Layer w5: U1.T11@39.37,-137.8 25.87,-151.3 25.87,-189.13 26.1,-189.35 26.1,-473.1 200,-647 P28.1@200,-742.5
SD_D2: P27.1 U1.U11 | length 721.1
  Top Layer w5: U1.U11@39.37,-157.48 39.37,-461.37 208.08,-630.08 256.06,-630.08 300,-674.02 P27.1@300,-742.5
SD_D3: P26.1 U1.T12 | length 850.2
  Top Layer w5: U1.T12@59.06,-137.8 59.06,-463.06 210.17,-614.17 263.78,-614.17 306.1,-656.5 385.83,-656.5 409.45,-680.12 409.45,-733.05 P26.1@400,-742.5
  Bottom Layer w5: P26.1@400,-742.5 P26.1@413,-729.5
SD_DETECT_N: P24.1 U1.R13 | length 1053.9
  Top Layer w5: U1.R13@78.74,-118.11 93.5,-132.87 93.5,-472.5 220.57,-599.57 268.86,-599.57 312.99,-643.7 534.3,-643.7 572.69,-605.32 699.69,-605.32 P24.1@700,-605
SD_RESET_N: P23.1 U1.T15 | length 1063.5
  Top Layer w5: U1.T15@118.11,-137.8 103.5,-152.4 103.5,-459.5 229.63,-585.63 280.51,-585.63 326.77,-631.89 528.11,-631.89 608.27,-551.73 608.27,-525.59 628.86,-505 P23.1@700,-505
SWCLK: J3.4 P22.1 U1.L17 | length 855.8
  Top Layer w5: U1.L17@157.48,-39.37 157.85,-39 v1(221,-39) ; v1(351.38,-135.83) 352.36,-135.83 384.96,-168.43 384.96,-225.96 J3.4@387,-228 ; v1(575.55,-310.12) 575.55,-379.69 587.6,-391.73 686.73,-391.73 P22.1@700,-405
  PWR w5: v1(351.38,-135.83) 401.57,-135.83 575.55,-309.8 v1(575.55,-310.12)
  Bottom Layer w5: v1(221,-39) 221.95,-39.95 221.95,-57.95 299.83,-135.83 v1@353.95,-135.83
SWIO: J3.2 P21.1 U1.L15 | length 963.7
  Top Layer w5: U1.L15@118.11,-39.37 118.11,-56.07 121.04,-59 233.32,-59 v1(243.11,-49.21) ; v1(302.17,-240.16) 325,-240.16 337,-228.16 337,-228 337,-161.8 315.94,-140.75 v1(315.94,-76.77) ; v1(597.44,-325.79) 615.23,-308 697,-308 P21.1@700,-305
  Bottom Layer w5: v1(243.11,-49.21) 288.1,-49.21 v1@315.8,-76.92 ; v1(302.17,-240.16) 302.17,-336.61 332.68,-367.13 556.1,-367.13 v1(597.44,-325.79)
SWO: J3.6 U1.L16 | length 497.7
  Top Layer w5: J3.6@437,-228 437.99,-228.99 v1(437.99,-307.09)
  Bottom Layer w5: v2(137.8,-39.37) 182.37,-39.37 437.37,-294.37 437.37,-306.47 v1(437.99,-307.09)
TEMP_SENSE: TP1.1 U2.14 | length 124.8
  Top Layer w8: U2.14@405.04,348.52 437.48,348.52 491.39,294.61 TP1.1@507.56,294.61
VDD_CORE: C26.2 C27.2 C28.2 C29.2 C30.2 C31.2 C32.2 C33.2 C34.2 C35.2 R7.2 U1.C5 U1.D9 U1.F14 U1.J4 U1.J14 U1.P9 U1.R5 U1.R14 | length 2261.4
  Top Layer w10: U1.J4@-100.18,0.68 -99.5,0 U1.J4@-98.43,0 v2(-78.74,0) ; U1.D9@-1.07,98.43 U1.D9@0,98.43 v2(19.69,98.43) ; v2(78.74,0) 96.35,0 96.67,0.32 U1.J14@96.67,0.68 ; U1.R14@98.43,-118.11 98.81,-117.73 98.81,-116.31 99,-116.12 v2(99,-99) ; R7.2@396.2,628.73 R7.2@396.2,630.7 ; v1(396.65,611.22) 396.65,613.39 394.34,615.7 394.34,628.39 396.43,630.47 396.43,614.92 396.2,614.69 396.2,612.75 397.73,611.22 v1(437.99,611.22)
  PWR w10: v2(-78.74,-118.11) -26.57,-118.11 -7.27,-98.81 -0.38,-98.81 v2(0,-98.43) 0,-63.98 ; v2(-78.74,118.11) -78.74,141.73 ; v2(19.69,98.43) 19.69,127.95 5.91,141.73 -78.74,141.73 ; v2(98.43,59.06) 98.43,5.86 92.57,0 v2(78.74,0) 61.02,0 36.42,-24.61 36.42,-55.12 35.43,-56.1 ; v2(99,-99) 99.06,-98.94 99.06,-87.25 88.58,-76.77 56.1,-76.77 35.43,-56.1 ; v1(417.32,611.22) 415.79,609.69 415.79,599.85 302.17,486.22 -22.64,486.22 -143.02,365.84 -143.02,175.88 ; -143.02,175.88 -167.32,151.57 -167.32,25.59 -141.73,0 v2(-78.74,0) -63.98,0 0,-63.98 ; -143.02,175.88 -108.87,141.73 -78.74,141.73 ; 0,-63.98 7.87,-56.1 35.43,-56.1
  Bottom Layer w10: C30.2@-101,2 -99,0 v2(-78.74,0) -77.66,0 -76.66,1 C29.2@-59,1 ; C33.2@-80,140 -79.8,140 -79.72,139.92 -79.72,119.64 -78.74,118.65 v2(-78.74,118.11) ; C32.2@-79.01,-99 -79.09,-99.08 -78.87,-99.08 -78.87,-117.98 v2(-78.74,-118.11) v2@-78.74,-117.57 ; v2(0,-98.43) C27.2@0,-78.74 ; C34.2@1,96 C34.2@1,96 15.29,95.92 17.41,98.04 19.3,98.04 v2(19.69,98.43) ; C28.2@58,1 59,0 v2(78.74,0) ; v2(98.43,59.06) 133.06,59.06 C26.2@134,60 C35.2@134,32 ; v2(99,-99) 99,-99.54 99.6,-100.14 C31.2@99.6,-120.08
pads on no net: F1.1 F2.1 F3.1 F4.1 F5.1 F6.1 J1.M1 J1.M2 J3.7 J3.8 J3.A U1.A7 U1.A9 U1.A11 U1.A17 U1.B2 U1.B3 U1.B7 U1.B9 U1.B17 U1.D7 U1.E2 U1.E17 U1.G1 U1.G3 U1.G15 U1.H2 U1.J2 U1.J3 U1.J15 U1.K4 U1.L3 U1.M14 U1.N15 U1.R7 U1.T1 U1.T3 U1.T7 U1.T8 U1.T13 U1.T16 U1.U3 U1.U7 U1.U9 U3.1
copper on no net: | length 0

## Polygon pours and split planes (outlines as drawn)
GND on PWR "GND_L03_P005" (solid, remove dead copper, pour order 5): -908.46,907.48 -908.47,-905.51 825.79,-905.51 825.79,907.48
+3v3 on PWR "+3V3_L03_P003" (solid, remove dead copper, pour order 3): -609.25,-334.66 432.09,-334.66 432.09,386.81 -609.25,386.81
VDD_CORE on PWR "VDD_CORE_L03_P002" (solid, remove dead copper, pour order 2): -101.38,-140.75 -101.38,-11.81 -207.68,-11.81 -207.68,639.76 447.83,639.76 447.83,394.68 114.17,394.68 114.17,197.83 114.17,-139.76
GND on GND "GND_L02_P000" (solid, remove dead copper, pour order 0): -853.35,881.89 -853.35,-931.1 880.91,-931.1 880.91,881.89

## Keep-outs
Keep-Out Layer:
  the board outline again, w0.1

## Silkscreen, mask and mechanical layers (free items; w line width, h text height)
Top Overlay:
  text "11" at 538,677 h30
  text "1" at -559,667 h30
  text "48" at -641,606 h30 r270
  text "12" at 643,584 h30 r90
  text "16" at 643,182 h30 r90
  text "Super Monkey" at -635,68 h110
  text "20" at 642,-218 h30 r90
  text "M" at -632,-265 h650
  text "36" at -640,-584 h30 r270
  text "24" at 643,-618 h30 r90
  text "35" at -515,-679 h30
  text "25" at 487,-680 h30
Bottom Overlay:
  text "11" at 563.98,672.24 h30
  text "1" at -534,666 h30
  text "48" at -631,630 h30
  text "12" at 654,629 h30
  text "Super Monkey" at 602.36,514.76 h175
  text "RT685 Audio Platorm" at 621.66,431.5 h75
  text "REV B" at 602,294 h175
  text "M" at -40.35,223.43 h800
  text "16" at 656.5,140.75 h30
  text "20" at 662,-166 h30
  text "1" at -150,-401.5 h30
  text "2021-09-02" at -236.22,-650.59 h80
  text "36" at -632.87,-658.46 h30
  text "24" at 656,-658 h30
  text "W" at 609.25,-664.37 h350
  text "35" at -534,-699 h30
  text "25" at 564,-700 h30
[8] Board Outline:
  drawing of 266 lines, arcs and shapes, not listed

## Text inside footprints (layer, text, board x,y; h text height)
SW1: Top Overlay "ON" at -565,-529.3 h59.06
SW2: Top Overlay "ON" at -435,-529.3 h59.06
SW3: Top Overlay "ON" at -310,-529.3 h59.06